# KiCad board FPGA_DevBoard.kicad_pcb (continued)
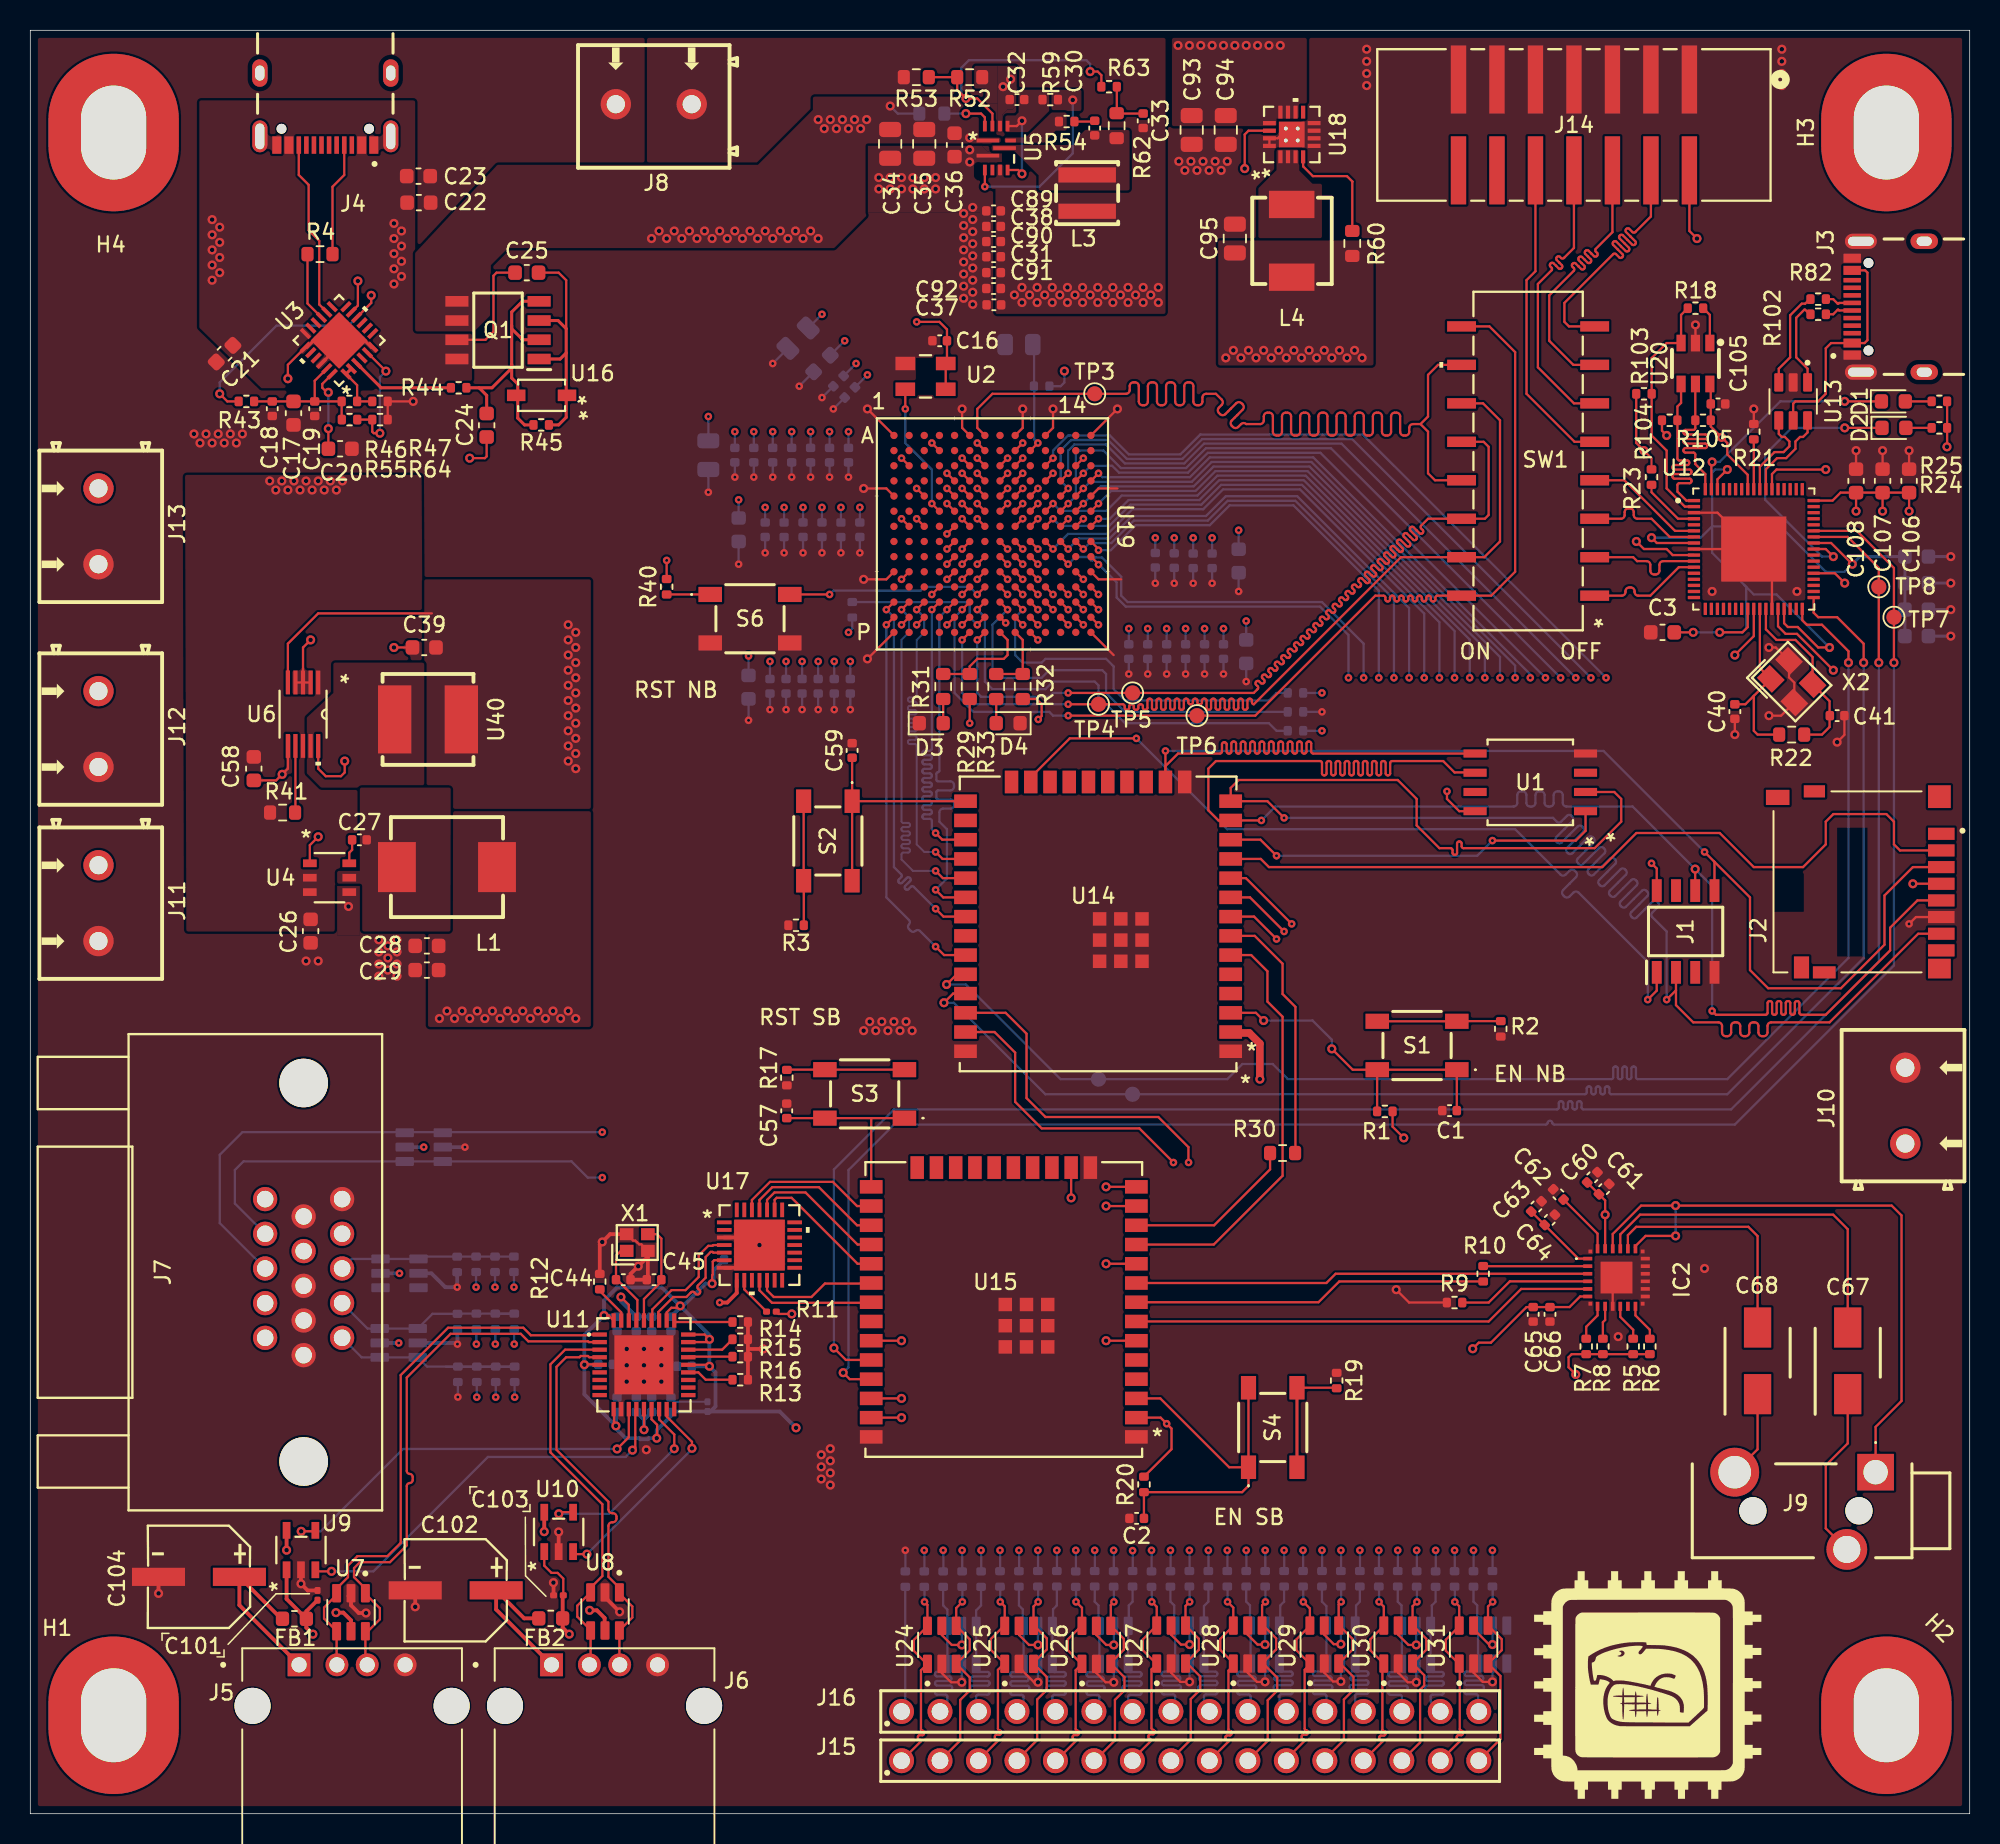
[diagram p0: board, top side]
## Routing (per net, layer and track width the routed paths; a pad name or vN(x,y) marks a point on that pad's centre or on a via; arc(x,y) is an arc through that point) (continued)
  Bottom signal w0.15: v1(90,75) 90,80.18 83.49,86.69 79.03,86.69 77.72,85.38 72.84,85.38 71.35,83.9 69.9,83.9 v1(69.5,83.5) ; v1(79,17.39) 79.01,17.38 79.01,16.11
/FPGA_UNIT_B/GPIO_9: length 108.6
  Top signal w0.15: U19.H11 v1(67.5,83.5)
  Top PWR w0.15: v1(81.5,17.39) 81.5,23.93 82.96,25.39 82.96,26.24 92.01,35.28 arc(91.98,35.35) 91.91,35.38 arc(91.84,35.41) 91.81,35.48 91.81,35.58 arc(91.84,35.65) 91.91,35.68 92.11,35.68 arc(92.18,35.71) 92.21,35.78 92.21,35.88 arc(92.18,35.95) 92.11,35.98 91.91,35.98 arc(91.84,36.01) 91.81,36.08 91.81,36.18 arc(91.84,36.25) 91.91,36.28 92.11,36.28 arc(92.18,36.31) 92.21,36.38 92.21,36.48 arc(92.18,36.55) 92.11,36.58 91.91,36.58 arc(91.84,36.61) 91.81,36.68 91.81,36.78 arc(91.84,36.85) 91.91,36.88 92.11,36.88 arc(92.18,36.91) 92.21,36.98 92.21,37.08 arc(92.18,37.15) 92.11,37.18 91.91,37.18 arc(91.84,37.21) 91.81,37.28 91.81,37.38 arc(91.84,37.45) 91.91,37.48 92.11,37.48 arc(92.18,37.51) 92.21,37.58 92.21,37.68 arc(92.18,37.75) 92.11,37.78 91.91,37.78 arc(91.84,37.81) 91.81,37.88 91.81,37.98 arc(91.84,38.05) 91.91,38.08 92.11,38.08 arc(92.18,38.11) 92.21,38.18 92.21,38.28 arc(92.18,38.35) 92.11,38.38 91.91,38.38 arc(91.84,38.41) 91.81,38.48 91.81,38.58 arc(91.84,38.65) 91.91,38.68 92.11,38.68 arc(92.18,38.71) 92.21,38.78 92.21,38.88 arc(92.18,38.95) 92.11,38.98 91.91,38.98 arc(91.84,39.01) 91.81,39.08 91.81,39.18 arc(91.84,39.25) 91.91,39.28 92.11,39.28 arc(92.18,39.31) 92.21,39.38 92.21,39.48 arc(92.18,39.55) 92.11,39.58 91.91,39.58 arc(91.84,39.61) 91.81,39.68 91.81,39.78 arc(91.84,39.85) 91.91,39.88 92.11,39.88 arc(92.18,39.91) 92.21,39.98 92.21,40.08 arc(92.18,40.15) 92.11,40.18 91.91,40.18 arc(91.84,40.21) 91.81,40.28 91.81,40.38 arc(91.84,40.45) 91.91,40.48 92.11,40.48 arc(92.18,40.51) 92.21,40.58 92.21,40.68 arc(92.18,40.75) 92.11,40.78 91.91,40.78 arc(91.84,40.81) 91.81,40.88 91.81,40.98 arc(91.84,41.05) 91.91,41.08 92.11,41.08 arc(92.18,41.11) 92.21,41.18 92.21,41.28 arc(92.18,41.35) 92.11,41.38 91.91,41.38 arc(91.84,41.41) 91.81,41.48 91.81,41.58 arc(91.84,41.65) 91.91,41.68 92.11,41.68 arc(92.18,41.71) 92.21,41.78 92.21,41.88 arc(92.18,41.95) 92.11,41.98 91.91,41.98 arc(91.84,42.01) 91.81,42.08 91.81,42.18 arc(91.84,42.25) 91.91,42.28 92.11,42.28 arc(92.18,42.31) 92.21,42.38 92.21,42.48 arc(92.18,42.55) 92.11,42.58 91.91,42.58 arc(91.84,42.61) 91.81,42.68 91.81,42.78 arc(91.84,42.85) 91.91,42.88 92.11,42.88 arc(92.18,42.91) 92.21,42.98 92.21,43.08 arc(92.18,43.15) 92.11,43.18 91.91,43.18 arc(91.84,43.21) 91.81,43.28 91.81,43.38 arc(91.84,43.45) 91.91,43.48 92.11,43.48 arc(92.18,43.51) 92.21,43.58 92.21,43.68 arc(92.18,43.75) 92.11,43.78 91.91,43.78 arc(91.84,43.81) 91.81,43.88 91.81,43.98 arc(91.84,44.05) 91.91,44.08 92.11,44.08 arc(92.18,44.11) 92.21,44.18 92.21,44.28 arc(92.18,44.35) 92.11,44.38 91.91,44.38 arc(91.84,44.41) 91.81,44.48 91.81,44.58 arc(91.84,44.65) 91.91,44.68 92.11,44.68 arc(92.18,44.71) 92.21,44.78 92.21,44.88 arc(92.18,44.95) 92.11,44.98 91.91,44.98 arc(91.84,45.01) 91.81,45.08 91.81,45.18 arc(91.84,45.25) 91.91,45.28 92.11,45.28 arc(92.18,45.31) 92.21,45.38 92.21,45.48 arc(92.18,45.55) 92.11,45.58 91.91,45.58 arc(91.84,45.61) 91.81,45.68 91.81,45.78 arc(91.84,45.85) 91.91,45.88 arc(91.98,45.91) 92.01,45.98 92.01,75
  Bottom signal w0.15: 81.51,16.11 81.51,17.38 v1(81.5,17.39) ; v1(67.5,83.5) 68.5,84.5 71.1,84.5 72.73,86.13 77.41,86.13 78.72,87.44 83.8,87.44 92,79.24 v1(92,75)
/FPGA_UNIT_B/GPIO_10: length 108.6
  Top signal w0.15: U19.G14 v1(70.5,85.5)
  Top PWR w0.15: v1(84,17.39) 84,24.44 94.01,34.45 arc(93.98,34.52) 93.91,34.55 arc(93.84,34.58) 93.81,34.65 93.81,34.75 arc(93.84,34.82) 93.91,34.85 94.11,34.85 arc(94.18,34.88) 94.21,34.95 94.21,35.05 arc(94.18,35.12) 94.11,35.15 93.91,35.15 arc(93.84,35.18) 93.81,35.25 93.81,35.35 arc(93.84,35.42) 93.91,35.45 94.11,35.45 arc(94.18,35.48) 94.21,35.55 94.21,35.65 arc(94.18,35.72) 94.11,35.75 93.91,35.75 arc(93.84,35.78) 93.81,35.85 93.81,35.95 arc(93.84,36.02) 93.91,36.05 94.11,36.05 arc(94.18,36.08) 94.21,36.15 94.21,36.25 arc(94.18,36.32) 94.11,36.35 93.91,36.35 arc(93.84,36.38) 93.81,36.45 93.81,36.55 arc(93.84,36.62) 93.91,36.65 94.11,36.65 arc(94.18,36.68) 94.21,36.75 94.21,36.85 arc(94.18,36.92) 94.11,36.95 93.91,36.95 arc(93.84,36.98) 93.81,37.05 93.81,37.15 arc(93.84,37.22) 93.91,37.25 94.11,37.25 arc(94.18,37.28) 94.21,37.35 94.21,37.45 arc(94.18,37.52) 94.11,37.55 93.91,37.55 arc(93.84,37.58) 93.81,37.65 93.81,37.75 arc(93.84,37.82) 93.91,37.85 94.11,37.85 arc(94.18,37.88) 94.21,37.95 94.21,38.05 arc(94.18,38.12) 94.11,38.15 93.91,38.15 arc(93.84,38.18) 93.81,38.25 93.81,38.35 arc(93.84,38.42) 93.91,38.45 94.11,38.45 arc(94.18,38.48) 94.21,38.55 94.21,38.65 arc(94.18,38.72) 94.11,38.75 93.91,38.75 arc(93.84,38.78) 93.81,38.85 93.81,38.95 arc(93.84,39.02) 93.91,39.05 94.11,39.05 arc(94.18,39.08) 94.21,39.15 94.21,39.25 arc(94.18,39.32) 94.11,39.35 93.91,39.35 arc(93.84,39.38) 93.81,39.45 93.81,39.55 arc(93.84,39.62) 93.91,39.65 94.11,39.65 arc(94.18,39.68) 94.21,39.75 94.21,39.85 arc(94.18,39.92) 94.11,39.95 93.91,39.95 arc(93.84,39.98) 93.81,40.05 93.81,40.15 arc(93.84,40.22) 93.91,40.25 94.11,40.25 arc(94.18,40.28) 94.21,40.35 94.21,40.45 arc(94.18,40.52) 94.11,40.55 93.91,40.55 arc(93.84,40.58) 93.81,40.65 93.81,40.75 arc(93.84,40.82) 93.91,40.85 94.11,40.85 arc(94.18,40.88) 94.21,40.95 94.21,41.05 arc(94.18,41.12) 94.11,41.15 93.91,41.15 arc(93.84,41.18) 93.81,41.25 93.81,41.35 arc(93.84,41.42) 93.91,41.45 94.11,41.45 arc(94.18,41.48) 94.21,41.55 94.21,41.65 arc(94.18,41.72) 94.11,41.75 93.91,41.75 arc(93.84,41.78) 93.81,41.85 93.81,41.95 arc(93.84,42.02) 93.91,42.05 94.11,42.05 arc(94.18,42.08) 94.21,42.15 94.21,42.25 arc(94.18,42.32) 94.11,42.35 93.91,42.35 arc(93.84,42.38) 93.81,42.45 93.81,42.55 arc(93.84,42.62) 93.91,42.65 94.11,42.65 arc(94.18,42.68) 94.21,42.75 94.21,42.85 arc(94.18,42.92) 94.11,42.95 93.91,42.95 arc(93.84,42.98) 93.81,43.05 93.81,43.15 arc(93.84,43.22) 93.91,43.25 94.11,43.25 arc(94.18,43.28) 94.21,43.35 94.21,43.45 arc(94.18,43.52) 94.11,43.55 93.91,43.55 arc(93.84,43.58) 93.81,43.65 93.81,43.75 arc(93.84,43.82) 93.91,43.85 94.11,43.85 arc(94.18,43.88) 94.21,43.95 94.21,44.05 arc(94.18,44.12) 94.11,44.15 93.91,44.15 arc(93.84,44.18) 93.81,44.25 93.81,44.35 arc(93.84,44.42) 93.91,44.45 94.11,44.45 arc(94.18,44.48) 94.21,44.55 94.21,44.65 arc(94.18,44.72) 94.11,44.75 93.91,44.75 arc(93.84,44.78) 93.81,44.85 93.81,44.95 arc(93.84,45.02) 93.91,45.05 94.11,45.05 arc(94.18,45.08) 94.21,45.15 94.21,45.25 arc(94.18,45.32) 94.11,45.35 93.91,45.35 arc(93.84,45.38) 93.81,45.45 93.81,45.55 arc(93.84,45.62) 93.91,45.65 94.11,45.65 arc(94.18,45.68) 94.21,45.75 94.21,45.85 arc(94.18,45.92) 94.11,45.95 93.91,45.95 arc(93.84,45.98) 93.81,46.05 93.81,46.15 arc(93.84,46.22) 93.91,46.25 94.11,46.25 arc(94.18,46.28) 94.21,46.35 94.21,46.45 arc(94.18,46.52) 94.11,46.55 93.91,46.55 arc(93.84,46.58) 93.81,46.65 93.81,46.75 arc(93.84,46.82) 93.91,46.85 94.11,46.85 arc(94.18,46.88) 94.21,46.95 94.21,47.05 arc(94.18,47.12) 94.11,47.15 arc(94.04,47.18) 94.01,47.25 94.01,74.95
  Bottom signal w0.15: v1(70.5,85.5) 71.25,85.5 72.48,86.73 77.16,86.73 78.47,88.04 84.05,88.04 94,78.09 v1(94,75) ; v1(84,17.39) 84.01,17.38 84.01,16.12
/FPGA_UNIT_B/GPIO_11: length 108.8
  Top signal w0.15: U19.F14 v1(70.5,86.5)
  Top PWR w0.15: 96.01,74.95 96.01,45.72 arc(95.98,45.65) 95.91,45.62 arc(95.84,45.59) 95.81,45.52 95.81,45.42 arc(95.84,45.35) 95.91,45.32 96.11,45.32 arc(96.18,45.29) 96.21,45.22 96.21,45.12 arc(96.18,45.05) 96.11,45.02 95.91,45.02 arc(95.84,44.99) 95.81,44.92 95.81,44.82 arc(95.84,44.75) 95.91,44.72 96.11,44.72 arc(96.18,44.69) 96.21,44.62 96.21,44.52 arc(96.18,44.45) 96.11,44.42 95.91,44.42 arc(95.84,44.39) 95.81,44.32 95.81,44.22 arc(95.84,44.15) 95.91,44.12 96.11,44.12 arc(96.18,44.09) 96.21,44.02 96.21,43.92 arc(96.18,43.85) 96.11,43.82 95.91,43.82 arc(95.84,43.79) 95.81,43.72 95.81,43.62 arc(95.84,43.55) 95.91,43.52 96.11,43.52 arc(96.18,43.49) 96.21,43.42 96.21,43.32 arc(96.18,43.25) 96.11,43.22 95.91,43.22 arc(95.84,43.19) 95.81,43.12 95.81,43.02 arc(95.84,42.95) 95.91,42.92 96.11,42.92 arc(96.18,42.89) 96.21,42.82 96.21,42.72 arc(96.18,42.65) 96.11,42.62 95.91,42.62 arc(95.84,42.59) 95.81,42.52 95.81,42.42 arc(95.84,42.35) 95.91,42.32 96.11,42.32 arc(96.18,42.29) 96.21,42.22 96.21,42.12 arc(96.18,42.05) 96.11,42.02 95.91,42.02 arc(95.84,41.99) 95.81,41.92 95.81,41.82 arc(95.84,41.75) 95.91,41.72 96.11,41.72 arc(96.18,41.69) 96.21,41.62 96.21,41.52 arc(96.18,41.45) 96.11,41.42 95.91,41.42 arc(95.84,41.39) 95.81,41.32 95.81,41.22 arc(95.84,41.15) 95.91,41.12 96.11,41.12 arc(96.18,41.09) 96.21,41.02 96.21,40.92 arc(96.18,40.85) 96.11,40.82 95.91,40.82 arc(95.84,40.79) 95.81,40.72 95.81,40.62 arc(95.84,40.55) 95.91,40.52 96.11,40.52 arc(96.18,40.49) 96.21,40.42 96.21,40.32 arc(96.18,40.25) 96.11,40.22 95.91,40.22 arc(95.84,40.19) 95.81,40.12 95.81,40.02 arc(95.84,39.95) 95.91,39.92 96.11,39.92 arc(96.18,39.89) 96.21,39.82 96.21,39.72 arc(96.18,39.65) 96.11,39.62 95.91,39.62 arc(95.84,39.59) 95.81,39.52 95.81,39.42 arc(95.84,39.35) 95.91,39.32 96.11,39.32 arc(96.18,39.29) 96.21,39.22 96.21,39.12 arc(96.18,39.05) 96.11,39.02 95.91,39.02 arc(95.84,38.99) 95.81,38.92 95.81,38.82 arc(95.84,38.75) 95.91,38.72 96.11,38.72 arc(96.18,38.69) 96.21,38.62 96.21,38.52 arc(96.18,38.45) 96.11,38.42 95.91,38.42 arc(95.84,38.39) 95.81,38.32 95.81,38.22 arc(95.84,38.15) 95.91,38.12 96.11,38.12 arc(96.18,38.09) 96.21,38.02 96.21,37.92 arc(96.18,37.85) 96.11,37.82 95.91,37.82 arc(95.84,37.79) 95.81,37.72 95.81,37.62 arc(95.84,37.55) 95.91,37.52 96.11,37.52 arc(96.18,37.49) 96.21,37.42 96.21,37.32 arc(96.18,37.25) 96.11,37.22 95.91,37.22 arc(95.84,37.19) 95.81,37.12 95.81,37.02 arc(95.84,36.95) 95.91,36.92 96.11,36.92 arc(96.18,36.89) 96.21,36.82 96.21,36.72 arc(96.18,36.65) 96.11,36.62 95.91,36.62 arc(95.84,36.59) 95.81,36.52 95.81,36.42 arc(95.84,36.35) 95.91,36.32 96.11,36.32 arc(96.18,36.29) 96.21,36.22 96.21,36.12 arc(96.18,36.05) 96.11,36.02 95.91,36.02 arc(95.84,35.99) 95.81,35.92 95.81,35.82 arc(95.84,35.75) 95.91,35.72 96.11,35.72 arc(96.18,35.69) 96.21,35.62 96.21,35.52 arc(96.18,35.45) 96.11,35.42 95.91,35.42 arc(95.84,35.39) 95.81,35.32 95.81,35.22 arc(95.84,35.15) 95.91,35.12 96.11,35.12 arc(96.18,35.09) 96.21,35.02 96.21,34.92 arc(96.18,34.85) 96.11,34.82 95.91,34.82 arc(95.84,34.79) 95.81,34.72 95.81,34.62 arc(95.84,34.55) 95.91,34.52 96.11,34.52 arc(96.18,34.49) 96.21,34.42 96.21,34.32 arc(96.18,34.25) 96.11,34.22 95.91,34.22 arc(95.84,34.19) 95.81,34.12 95.81,34.02 arc(95.84,33.95) 95.91,33.92 arc(95.98,33.89) 96.01,33.82 96.01,33.62 86.5,24.11 v1(86.5,17.39)
  Bottom signal w0.15: v1(96,75) 96,76.95 84.3,88.64 78.22,88.64 76.91,87.34 71.34,87.34 v1(70.5,86.5) ; v1(86.5,17.39) 86.51,17.38 86.51,16.11
/FPGA_UNIT_B/GPIO_12: length 109
  Top signal w0.15: U19.E13 v1(69.5,87.5)
  Top PWR w0.15: v1(89,17.39) 89,23.78 95.34,30.12 95.64,30.12 95.89,30.37 95.89,30.67 98.01,32.79 98.01,32.89 arc(97.98,32.96) 97.91,32.99 arc(97.84,33.02) 97.81,33.09 97.81,33.19 arc(97.84,33.26) 97.91,33.29 98.11,33.29 arc(98.18,33.32) 98.21,33.39 98.21,33.49 arc(98.18,33.56) 98.11,33.59 97.91,33.59 arc(97.84,33.62) 97.81,33.69 97.81,33.79 arc(97.84,33.86) 97.91,33.89 98.11,33.89 arc(98.18,33.92) 98.21,33.99 98.21,34.09 arc(98.18,34.16) 98.11,34.19 97.91,34.19 arc(97.84,34.22) 97.81,34.29 97.81,34.39 arc(97.84,34.46) 97.91,34.49 98.11,34.49 arc(98.18,34.52) 98.21,34.59 98.21,34.69 arc(98.18,34.76) 98.11,34.79 97.91,34.79 arc(97.84,34.82) 97.81,34.89 97.81,34.99 arc(97.84,35.06) 97.91,35.09 98.11,35.09 arc(98.18,35.12) 98.21,35.19 98.21,35.29 arc(98.18,35.36) 98.11,35.39 97.91,35.39 arc(97.84,35.42) 97.81,35.49 97.81,35.59 arc(97.84,35.66) 97.91,35.69 98.11,35.69 arc(98.18,35.72) 98.21,35.79 98.21,35.89 arc(98.18,35.96) 98.11,35.99 97.91,35.99 arc(97.84,36.02) 97.81,36.09 97.81,36.19 arc(97.84,36.26) 97.91,36.29 98.11,36.29 arc(98.18,36.32) 98.21,36.39 98.21,36.49 arc(98.18,36.56) 98.11,36.59 97.91,36.59 arc(97.84,36.62) 97.81,36.69 97.81,36.79 arc(97.84,36.86) 97.91,36.89 98.11,36.89 arc(98.18,36.92) 98.21,36.99 98.21,37.09 arc(98.18,37.16) 98.11,37.19 97.91,37.19 arc(97.84,37.22) 97.81,37.29 97.81,37.39 arc(97.84,37.46) 97.91,37.49 98.11,37.49 arc(98.18,37.52) 98.21,37.59 98.21,37.69 arc(98.18,37.76) 98.11,37.79 97.91,37.79 arc(97.84,37.82) 97.81,37.89 97.81,37.99 arc(97.84,38.06) 97.91,38.09 98.11,38.09 arc(98.18,38.12) 98.21,38.19 98.21,38.29 arc(98.18,38.36) 98.11,38.39 97.91,38.39 arc(97.84,38.42) 97.81,38.49 97.81,38.59 arc(97.84,38.66) 97.91,38.69 98.11,38.69 arc(98.18,38.72) 98.21,38.79 98.21,38.89 arc(98.18,38.96) 98.11,38.99 97.91,38.99 arc(97.84,39.02) 97.81,39.09 97.81,39.19 arc(97.84,39.26) 97.91,39.29 98.11,39.29 arc(98.18,39.32) 98.21,39.39 98.21,39.49 arc(98.18,39.56) 98.11,39.59 97.91,39.59 arc(97.84,39.62) 97.81,39.69 97.81,39.79 arc(97.84,39.86) 97.91,39.89 98.11,39.89 arc(98.18,39.92) 98.21,39.99 98.21,40.09 arc(98.18,40.16) 98.11,40.19 97.91,40.19 arc(97.84,40.22) 97.81,40.29 97.81,40.39 arc(97.84,40.46) 97.91,40.49 98.11,40.49 arc(98.18,40.52) 98.21,40.59 98.21,40.69 arc(98.18,40.76) 98.11,40.79 97.91,40.79 arc(97.84,40.82) 97.81,40.89 97.81,40.99 arc(97.84,41.06) 97.91,41.09 98.11,41.09 arc(98.18,41.12) 98.21,41.19 98.21,41.29 arc(98.18,41.36) 98.11,41.39 97.91,41.39 arc(97.84,41.42) 97.81,41.49 97.81,41.59 arc(97.84,41.66) 97.91,41.69 98.11,41.69 arc(98.18,41.72) 98.21,41.79 98.21,41.89 arc(98.18,41.96) 98.11,41.99 97.91,41.99 arc(97.84,42.02) 97.81,42.09 97.81,42.19 arc(97.84,42.26) 97.91,42.29 98.11,42.29 arc(98.18,42.32) 98.21,42.39 98.21,42.49 arc(98.18,42.56) 98.11,42.59 arc(98.04,42.62) 98.01,42.69 98.01,74.98
  Bottom signal w0.15: v1(89,17.39) 89.01,17.38 89.01,16.11 ; v1(98,75) 98,75.8 84.55,89.25 77.97,89.25 76.66,87.94 69.94,87.94 v1(69.5,87.5)
/FPGA_UNIT_B/GPIO_13: length 108.8
  Top signal w0.15: U19.D13 v1(69.5,88.5)
  Top PWR w0.15: 100.01,74.98 100.01,40.17 arc(100.04,40.1) 100.11,40.07 arc(100.18,40.04) 100.21,39.97 100.21,39.87 arc(100.18,39.8) 100.11,39.77 99.91,39.77 arc(99.84,39.74) 99.81,39.67 99.81,39.57 arc(99.84,39.5) 99.91,39.47 100.11,39.47 arc(100.18,39.44) 100.21,39.37 100.21,39.27 arc(100.18,39.2) 100.11,39.17 99.91,39.17 arc(99.84,39.14) 99.81,39.07 99.81,38.97 arc(99.84,38.9) 99.91,38.87 100.11,38.87 arc(100.18,38.84) 100.21,38.77 100.21,38.67 arc(100.18,38.6) 100.11,38.57 99.91,38.57 arc(99.84,38.54) 99.81,38.47 99.81,38.37 arc(99.84,38.3) 99.91,38.27 100.11,38.27 arc(100.18,38.24) 100.21,38.17 100.21,38.07 arc(100.18,38) 100.11,37.97 99.91,37.97 arc(99.84,37.94) 99.81,37.87 99.81,37.77 arc(99.84,37.7) 99.91,37.67 100.11,37.67 arc(100.18,37.64) 100.21,37.57 100.21,37.47 arc(100.18,37.4) 100.11,37.37 99.91,37.37 arc(99.84,37.34) 99.81,37.27 99.81,37.17 arc(99.84,37.1) 99.91,37.07 100.11,37.07 arc(100.18,37.04) 100.21,36.97 100.21,36.87 arc(100.18,36.8) 100.11,36.77 99.91,36.77 arc(99.84,36.74) 99.81,36.67 99.81,36.57 arc(99.84,36.5) 99.91,36.47 100.11,36.47 arc(100.18,36.44) 100.21,36.37 100.21,36.27 arc(100.18,36.2) 100.11,36.17 99.91,36.17 arc(99.84,36.14) 99.81,36.07 99.81,35.97 arc(99.84,35.9) 99.91,35.87 100.11,35.87 arc(100.18,35.84) 100.21,35.77 100.21,35.67 arc(100.18,35.6) 100.11,35.57 99.91,35.57 arc(99.84,35.54) 99.81,35.47 99.81,35.37 arc(99.84,35.3) 99.91,35.27 100.11,35.27 arc(100.18,35.24) 100.21,35.17 100.21,35.07 arc(100.18,35) 100.11,34.97 99.91,34.97 arc(99.84,34.94) 99.81,34.87 99.81,34.77 arc(99.84,34.7) 99.91,34.67 100.11,34.67 arc(100.18,34.64) 100.21,34.57 100.21,34.47 arc(100.18,34.4) 100.11,34.37 99.91,34.37 arc(99.84,34.34) 99.81,34.27 99.81,34.17 arc(99.84,34.1) 99.91,34.07 100.11,34.07 arc(100.18,34.04) 100.21,33.97 100.21,33.87 arc(100.18,33.8) 100.11,33.77 99.91,33.77 arc(99.84,33.74) 99.81,33.67 99.81,33.57 arc(99.84,33.5) 99.91,33.47 100.11,33.47 arc(100.18,33.44) 100.21,33.37 100.21,33.27 arc(100.18,33.2) 100.11,33.17 99.91,33.17 arc(99.84,33.14) 99.81,33.07 99.81,32.97 arc(99.84,32.9) 99.91,32.87 100.11,32.87 arc(100.18,32.84) 100.21,32.77 100.21,32.67 arc(100.18,32.6) 100.11,32.57 99.91,32.57 arc(99.84,32.54) 99.81,32.47 99.81,32.37 arc(99.84,32.3) 99.91,32.27 arc(99.98,32.24) 100.01,32.17 100.01,31.96 91.5,23.45 v1(91.5,17.39)
  Bottom signal w0.15: v1(91.5,17.39) 91.51,17.38 91.51,16.1 ; v1(100,75) 85.15,89.85 77.72,89.85 76.41,88.54 71.85,88.54 71.4,89 70,89 v1(69.5,88.5)
/FPGA_UNIT_B/GPIO_14: length 108.9
  Top signal w0.15: U19.D12 v1(68.5,88.5)
  Top PWR w0.15: 102.01,75 102.01,34.88 arc(101.98,34.81) 101.91,34.78 arc(101.84,34.75) 101.81,34.68 101.81,34.58 arc(101.84,34.51) 101.91,34.48 102.11,34.48 arc(102.18,34.45) 102.21,34.38 102.21,34.28 arc(102.18,34.21) 102.11,34.18 101.91,34.18 arc(101.84,34.15) 101.81,34.08 101.81,33.98 arc(101.84,33.91) 101.91,33.88 102.11,33.88 arc(102.18,33.85) 102.21,33.78 102.21,33.68 arc(102.18,33.61) 102.11,33.58 101.91,33.58 arc(101.84,33.55) 101.81,33.48 101.81,33.38 arc(101.84,33.31) 101.91,33.28 102.11,33.28 arc(102.18,33.25) 102.21,33.18 102.21,33.08 arc(102.18,33.01) 102.11,32.98 101.91,32.98 arc(101.84,32.95) 101.81,32.88 101.81,32.78 arc(101.84,32.71) 101.91,32.68 102.11,32.68 arc(102.18,32.65) 102.21,32.58 102.21,32.48 arc(102.18,32.41) 102.11,32.38 101.91,32.38 arc(101.84,32.35) 101.81,32.28 101.81,32.18 arc(101.84,32.11) 101.91,32.08 102.11,32.08 arc(102.18,32.05) 102.21,31.98 102.21,31.88 arc(102.18,31.81) 102.11,31.78 101.91,31.78 arc(101.84,31.75) 101.81,31.68 101.81,31.58 arc(101.84,31.51) 101.91,31.48 arc(101.98,31.45) 102.01,31.38 102.01,31.13 94,23.12 v1(94,17.39)
  Bottom signal w0.15: 94.01,16.12 94.01,17.38 v1(94,17.39) ; v1(102,75) 86.54,90.46 77.47,90.46 76.16,89.15 72.25,89.15 71,90.4 68.9,90.4 68.5,90 v1(68.5,88.5)
/FPGA_UNIT_B/GPIO_15: length 108.7
  Top signal w0.15: U19.C11 v1(67.5,89.5)
  Top PWR w0.15: v1(96.5,17.39) 96.5,22.79 102.19,28.47 102.22,28.47 102.53,28.78 102.53,28.81 104.02,30.3 104.02,30.45 arc(103.99,30.52) 103.92,30.55 arc(103.85,30.58) 103.82,30.65 103.82,30.75 arc(103.85,30.82) 103.92,30.85 104.12,30.85 arc(104.19,30.88) 104.22,30.95 104.22,31.05 arc(104.19,31.12) 104.12,31.15 arc(104.05,31.18) 104.02,31.25 104.02,38.88 104.47,39.33 104.47,39.77 104.02,40.22 104.02,74.95
  Bottom signal w0.15: 96.51,16.11 96.51,17.38 v1(96.5,17.39) ; v1(67.5,89.5) 67.5,90 68.5,91 68.57,91 68.57,91 71.25,91 72.5,89.75 75.91,89.75 77.22,91.06 85.3,91.06 87.94,91.06 v1(104,75)
/FPGA_UNIT_B/GPIO_23: length 109.2
  Top signal w0.15: v1(70.5,82.47) 70.5,82.5 U19.J14
  Top PWR w0.15: v1(87,75) 87,59.45 arc(86.97,59.38) 86.9,59.35 arc(86.83,59.32) 86.8,59.25 86.8,59.15 arc(86.83,59.08) 86.9,59.05 87.1,59.05 arc(87.17,59.02) 87.2,58.95 87.2,58.85 arc(87.17,58.78) 87.1,58.75 86.9,58.75 arc(86.83,58.72) 86.8,58.65 86.8,58.55 arc(86.83,58.48) 86.9,58.45 87.1,58.45 arc(87.17,58.42) 87.2,58.35 87.2,58.25 arc(87.17,58.18) 87.1,58.15 86.9,58.15 arc(86.83,58.12) 86.8,58.05 86.8,57.95 arc(86.83,57.88) 86.9,57.85 87.1,57.85 arc(87.17,57.82) 87.2,57.75 87.2,57.65 arc(87.17,57.58) 87.1,57.55 86.9,57.55 arc(86.83,57.52) 86.8,57.45 86.8,57.35 arc(86.83,57.28) 86.9,57.25 87.1,57.25 arc(87.17,57.22) 87.2,57.15 87.2,57.05 arc(87.17,56.98) 87.1,56.95 86.9,56.95 arc(86.83,56.92) 86.8,56.85 86.8,56.75 arc(86.83,56.68) 86.9,56.65 87.1,56.65 arc(87.17,56.62) 87.2,56.55 87.2,56.45 arc(87.17,56.38) 87.1,56.35 86.9,56.35 arc(86.83,56.32) 86.8,56.25 86.8,56.15 arc(86.83,56.08) 86.9,56.05 87.1,56.05 arc(87.17,56.02) 87.2,55.95 87.2,55.85 arc(87.17,55.78) 87.1,55.75 86.9,55.75 arc(86.83,55.72) 86.8,55.65 86.8,55.55 arc(86.83,55.48) 86.9,55.45 87.1,55.45 arc(87.17,55.42) 87.2,55.35 87.2,55.25 arc(87.17,55.18) 87.1,55.15 86.9,55.15 arc(86.83,55.12) 86.8,55.05 86.8,54.95 arc(86.83,54.88) 86.9,54.85 87.1,54.85 arc(87.17,54.82) 87.2,54.75 87.2,54.65 arc(87.17,54.58) 87.1,54.55 86.9,54.55 arc(86.83,54.52) 86.8,54.45 86.8,54.35 arc(86.83,54.28) 86.9,54.25 87.1,54.25 arc(87.17,54.22) 87.2,54.15 87.2,54.05 arc(87.17,53.98) 87.1,53.95 86.9,53.95 arc(86.83,53.92) 86.8,53.85 86.8,53.75 arc(86.83,53.68) 86.9,53.65 87.1,53.65 arc(87.17,53.62) 87.2,53.55 87.2,53.45 arc(87.17,53.38) 87.1,53.35 86.9,53.35 arc(86.83,53.32) 86.8,53.25 86.8,53.15 arc(86.83,53.08) 86.9,53.05 87.1,53.05 arc(87.17,53.02) 87.2,52.95 87.2,52.85 arc(87.17,52.78) 87.1,52.75 86.9,52.75 arc(86.83,52.72) 86.8,52.65 86.8,52.55 arc(86.83,52.48) 86.9,52.45 87.1,52.45 arc(87.17,52.42) 87.2,52.35 87.2,52.25 arc(87.17,52.18) 87.1,52.15 86.9,52.15 arc(86.83,52.12) 86.8,52.05 86.8,51.95 arc(86.83,51.88) 86.9,51.85 87.1,51.85 arc(87.17,51.82) 87.2,51.75 87.2,51.65 arc(87.17,51.58) 87.1,51.55 86.9,51.55 arc(86.83,51.52) 86.8,51.45 86.8,51.35 arc(86.83,51.28) 86.9,51.25 87.1,51.25 arc(87.17,51.22) 87.2,51.15 87.2,51.05 arc(87.17,50.98) 87.1,50.95 86.9,50.95 arc(86.83,50.92) 86.8,50.85 86.8,50.75 arc(86.83,50.68) 86.9,50.65 87.1,50.65 arc(87.17,50.62) 87.2,50.55 87.2,50.45 arc(87.17,50.38) 87.1,50.35 86.9,50.35 arc(86.83,50.32) 86.8,50.25 86.8,50.15 arc(86.83,50.08) 86.9,50.05 87.1,50.05 arc(87.17,50.02) 87.2,49.95 87.2,49.85 arc(87.17,49.78) 87.1,49.75 86.9,49.75 arc(86.83,49.72) 86.8,49.65 86.8,49.55 arc(86.83,49.48) 86.9,49.45 87.1,49.45 arc(87.17,49.42) 87.2,49.35 87.2,49.25 arc(87.17,49.18) 87.1,49.15 86.9,49.15 arc(86.83,49.12) 86.8,49.05 86.8,48.95 arc(86.83,48.88) 86.9,48.85 87.1,48.85 arc(87.17,48.82) 87.2,48.75 87.2,48.65 arc(87.17,48.58) 87.1,48.55 86.9,48.55 arc(86.83,48.52) 86.8,48.45 86.8,48.35 arc(86.83,48.28) 86.9,48.25 87.1,48.25 arc(87.17,48.22) 87.2,48.15 87.2,48.05 arc(87.17,47.98) 87.1,47.95 86.9,47.95 arc(86.83,47.92) 86.8,47.85 86.8,47.75 arc(86.83,47.68) 86.9,47.65 87.1,47.65 arc(87.17,47.62) 87.2,47.55 87.2,47.45 arc(87.17,47.38) 87.1,47.35 86.9,47.35 arc(86.83,47.32) 86.8,47.25 86.8,47.15 arc(86.83,47.08) 86.9,47.05 87.1,47.05 arc(87.17,47.02) 87.2,46.95 87.2,46.85 arc(87.17,46.78) 87.1,46.75 86.9,46.75 arc(86.83,46.72) 86.8,46.65 86.8,46.55 arc(86.83,46.48) 86.9,46.45 87.1,46.45 arc(87.17,46.42) 87.2,46.35 87.2,46.25 arc(87.17,46.18) 87.1,46.15 86.9,46.15 arc(86.83,46.12) 86.8,46.05 86.8,45.95 arc(86.83,45.88) 86.9,45.85 87.1,45.85 arc(87.17,45.82) 87.2,45.75 87.2,45.65 arc(87.17,45.58) 87.1,45.55 86.9,45.55 arc(86.83,45.52) 86.8,45.45 86.8,45.35 arc(86.83,45.28) 86.9,45.25 87.1,45.25 arc(87.17,45.22) 87.2,45.15 87.2,45.05 arc(87.17,44.98) 87.1,44.95 86.9,44.95 arc(86.83,44.92) 86.8,44.85 86.8,44.75 arc(86.83,44.68) 86.9,44.65 87.1,44.65 arc(87.17,44.62) 87.2,44.55 87.2,44.45 arc(87.17,44.38) 87.1,44.35 86.9,44.35 arc(86.83,44.32) 86.8,44.25 86.8,44.15 arc(86.83,44.08) 86.9,44.05 87.1,44.05 arc(87.17,44.02) 87.2,43.95 87.2,43.85 arc(87.17,43.78) 87.1,43.75 86.9,43.75 arc(86.83,43.72) 86.8,43.65 86.8,43.55 arc(86.83,43.48) 86.9,43.45 87.1,43.45 arc(87.17,43.42) 87.2,43.35 87.2,43.25 arc(87.17,43.18) 87.1,43.15 86.9,43.15 arc(86.83,43.12) 86.8,43.05 86.8,42.95 arc(86.83,42.88) 86.9,42.85 87.1,42.85 arc(87.17,42.82) 87.2,42.75 87.2,42.65 arc(87.17,42.58) 87.1,42.55 86.9,42.55 arc(86.83,42.52) 86.8,42.45 86.8,42.35 arc(86.83,42.28) 86.9,42.25 87.1,42.25 arc(87.17,42.22) 87.2,42.15 87.2,42.05 arc(87.17,41.98) 87.1,41.95 86.9,41.95 arc(86.83,41.92) 86.8,41.85 86.8,41.75 arc(86.83,41.68) 86.9,41.65 87.1,41.65 arc(87.17,41.62) 87.2,41.55 87.2,41.45 arc(87.17,41.38) 87.1,41.35 86.9,41.35 arc(86.83,41.32) 86.8,41.25 86.8,41.15 arc(86.83,41.08) 86.9,41.05 87.1,41.05 arc(87.17,41.02) 87.2,40.95 87.2,40.85 arc(87.17,40.78) 87.1,40.75 86.9,40.75 arc(86.83,40.72) 86.8,40.65 86.8,40.55 arc(86.83,40.48) 86.9,40.45 87.1,40.45 arc(87.17,40.42) 87.2,40.35 87.2,40.25 arc(87.17,40.18) 87.1,40.15 86.9,40.15 arc(86.83,40.12) 86.8,40.05 86.8,39.95 arc(86.83,39.88) 86.9,39.85 87.1,39.85 arc(87.17,39.82) 87.2,39.75 87.2,39.65 arc(87.17,39.58) 87.1,39.55 86.9,39.55 arc(86.83,39.52) 86.8,39.45 86.8,39.35 arc(86.83,39.28) 86.9,39.25 87.1,39.25 arc(87.17,39.22) 87.2,39.15 87.2,39.05 arc(87.17,38.98) 87.1,38.95 86.9,38.95 arc(86.83,38.92) 86.8,38.85 86.8,38.75 arc(86.83,38.68) 86.9,38.65 87.1,38.65 arc(87.17,38.62) 87.2,38.55 87.2,38.45 arc(87.17,38.38) 87.1,38.35 86.9,38.35 arc(86.83,38.32) 86.8,38.25 86.8,38.15 arc(86.83,38.08) 86.9,38.05 87.1,38.05 arc(87.17,38.02) 87.2,37.95 87.2,37.85 arc(87.17,37.78) 87.1,37.75 86.9,37.75 arc(86.83,37.72) 86.8,37.65 86.8,37.55 arc(86.83,37.48) 86.9,37.45 arc(86.97,37.42) 87,37.35 79.92,30.27 79.92,26.48 75.25,21.82 v1(75.25,17.39)
  Bottom signal w0.15: v1(70.5,82.47) 70.53,82.47 71.7,81.3 71.7,80.3 72.3,79.7 85.12,79.7 87,77.82 v1(87,75) ; 75.26,16.13 75.26,17.38 v1(75.25,17.39)
/FPGA_UNIT_B/GPIO_24: length 107.4
  Top signal w0.15: v1(70.5,83.42) 70.5,83.5 U19.H14
  Top PWR w0.15: 89,74.95 89,52.05 arc(88.97,51.98) 88.9,51.95 arc(88.83,51.92) 88.8,51.85 88.8,51.75 arc(88.83,51.68) 88.9,51.65 89.1,51.65 arc(89.17,51.62) 89.2,51.55 89.2,51.45 arc(89.17,51.38) 89.1,51.35 88.9,51.35 arc(88.83,51.32) 88.8,51.25 88.8,51.15 arc(88.83,51.08) 88.9,51.05 89.1,51.05 arc(89.17,51.02) 89.2,50.95 89.2,50.85 arc(89.17,50.78) 89.1,50.75 88.9,50.75 arc(88.83,50.72) 88.8,50.65 88.8,50.55 arc(88.83,50.48) 88.9,50.45 89.1,50.45 arc(89.17,50.42) 89.2,50.35 89.2,50.25 arc(89.17,50.18) 89.1,50.15 88.9,50.15 arc(88.83,50.12) 88.8,50.05 88.8,49.95 arc(88.83,49.88) 88.9,49.85 89.1,49.85 arc(89.17,49.82) 89.2,49.75 89.2,49.65 arc(89.17,49.58) 89.1,49.55 88.9,49.55 arc(88.83,49.52) 88.8,49.45 88.8,49.35 arc(88.83,49.28) 88.9,49.25 89.1,49.25 arc(89.17,49.22) 89.2,49.15 89.2,49.05 arc(89.17,48.98) 89.1,48.95 88.9,48.95 arc(88.83,48.92) 88.8,48.85 88.8,48.75 arc(88.83,48.68) 88.9,48.65 89.1,48.65 arc(89.17,48.62) 89.2,48.55 89.2,48.45 arc(89.17,48.38) 89.1,48.35 88.9,48.35 arc(88.83,48.32) 88.8,48.25 88.8,48.15 arc(88.83,48.08) 88.9,48.05 89.1,48.05 arc(89.17,48.02) 89.2,47.95 89.2,47.85 arc(89.17,47.78) 89.1,47.75 88.9,47.75 arc(88.83,47.72) 88.8,47.65 88.8,47.55 arc(88.83,47.48) 88.9,47.45 89.1,47.45 arc(89.17,47.42) 89.2,47.35 89.2,47.25 arc(89.17,47.18) 89.1,47.15 88.9,47.15 arc(88.83,47.12) 88.8,47.05 88.8,46.95 arc(88.83,46.88) 88.9,46.85 89.1,46.85 arc(89.17,46.82) 89.2,46.75 89.2,46.65 arc(89.17,46.58) 89.1,46.55 88.9,46.55 arc(88.83,46.52) 88.8,46.45 88.8,46.35 arc(88.83,46.28) 88.9,46.25 89.1,46.25 arc(89.17,46.22) 89.2,46.15 89.2,46.05 arc(89.17,45.98) 89.1,45.95 88.9,45.95 arc(88.83,45.92) 88.8,45.85 88.8,45.75 arc(88.83,45.68) 88.9,45.65 89.1,45.65 arc(89.17,45.62) 89.2,45.55 89.2,45.45 arc(89.17,45.38) 89.1,45.35 88.9,45.35 arc(88.83,45.32) 88.8,45.25 88.8,45.15 arc(88.83,45.08) 88.9,45.05 89.1,45.05 arc(89.17,45.02) 89.2,44.95 89.2,44.85 arc(89.17,44.78) 89.1,44.75 88.9,44.75 arc(88.83,44.72) 88.8,44.65 88.8,44.55 arc(88.83,44.48) 88.9,44.45 89.1,44.45 arc(89.17,44.42) 89.2,44.35 89.2,44.25 arc(89.17,44.18) 89.1,44.15 88.9,44.15 arc(88.83,44.12) 88.8,44.05 88.8,43.95 arc(88.83,43.88) 88.9,43.85 89.1,43.85 arc(89.17,43.82) 89.2,43.75 89.2,43.65 arc(89.17,43.58) 89.1,43.55 88.9,43.55 arc(88.83,43.52) 88.8,43.45 88.8,43.35 arc(88.83,43.28) 88.9,43.25 89.1,43.25 arc(89.17,43.22) 89.2,43.15 89.2,43.05 arc(89.17,42.98) 89.1,42.95 88.9,42.95 arc(88.83,42.92) 88.8,42.85 88.8,42.75 arc(88.83,42.68) 88.9,42.65 89.1,42.65 arc(89.17,42.62) 89.2,42.55 89.2,42.45 arc(89.17,42.38) 89.1,42.35 88.9,42.35 arc(88.83,42.32) 88.8,42.25 88.8,42.15 arc(88.83,42.08) 88.9,42.05 89.1,42.05 arc(89.17,42.02) 89.2,41.95 89.2,41.85 arc(89.17,41.78) 89.1,41.75 88.9,41.75 arc(88.83,41.72) 88.8,41.65 88.8,41.55 arc(88.83,41.48) 88.9,41.45 89.1,41.45 arc(89.17,41.42) 89.2,41.35 89.2,41.25 arc(89.17,41.18) 89.1,41.15 88.9,41.15 arc(88.83,41.12) 88.8,41.05 88.8,40.95 arc(88.83,40.88) 88.9,40.85 89.1,40.85 arc(89.17,40.82) 89.2,40.75 89.2,40.65 arc(89.17,40.58) 89.1,40.55 88.9,40.55 arc(88.83,40.52) 88.8,40.45 88.8,40.35 arc(88.83,40.28) 88.9,40.25 89.1,40.25 arc(89.17,40.22) 89.2,40.15 89.2,40.05 arc(89.17,39.98) 89.1,39.95 88.9,39.95 arc(88.83,39.92) 88.8,39.85 88.8,39.75 arc(88.83,39.68) 88.9,39.65 89.1,39.65 arc(89.17,39.62) 89.2,39.55 89.2,39.45 arc(89.17,39.38) 89.1,39.35 88.9,39.35 arc(88.83,39.32) 88.8,39.25 88.8,39.15 arc(88.83,39.08) 88.9,39.05 89.1,39.05 arc(89.17,39.02) 89.2,38.95 89.2,38.85 arc(89.17,38.78) 89.1,38.75 88.9,38.75 arc(88.83,38.72) 88.8,38.65 88.8,38.55 arc(88.83,38.48) 88.9,38.45 89.1,38.45 arc(89.17,38.42) 89.2,38.35 89.2,38.25 arc(89.17,38.18) 89.1,38.15 88.9,38.15 arc(88.83,38.12) 88.8,38.05 88.8,37.95 arc(88.83,37.88) 88.9,37.85 89.1,37.85 arc(89.17,37.82) 89.2,37.75 89.2,37.65 arc(89.17,37.58) 89.1,37.55 88.9,37.55 arc(88.83,37.52) 88.8,37.45 88.8,37.35 arc(88.83,37.28) 88.9,37.25 arc(88.97,37.22) 89,37.15 89,36.52 81.03,28.55 81.03,26.13 77.75,22.85 v1(77.75,17.39)
  Bottom signal w0.15: v1(77.75,17.39) 77.76,17.38 77.76,16.12 ; v1(89,75) 89,80.75 83.37,86.38 79.15,86.38 77.85,85.08 72.96,85.08 71.31,83.42 v1(70.5,83.42)
